# Altium PCB 3-as-manufactured.PcbDoc (part 11 of 16)
Units mil, origin at the board's own origin, x right, y up, seen from the top; angles counter-clockwise.
Board outline 4130.55 x 4250 mil, 8 copper layers (L1_TOP, L2_GND, L3_INT, L4_PWR, L5_PWR, L6_INT, L7_GND, L8_BOT), stack 61 mil thick; 584 components, 489 nets, 2229 pads, 1894 vias.
Unrouted connection lines stored in the file: 4.
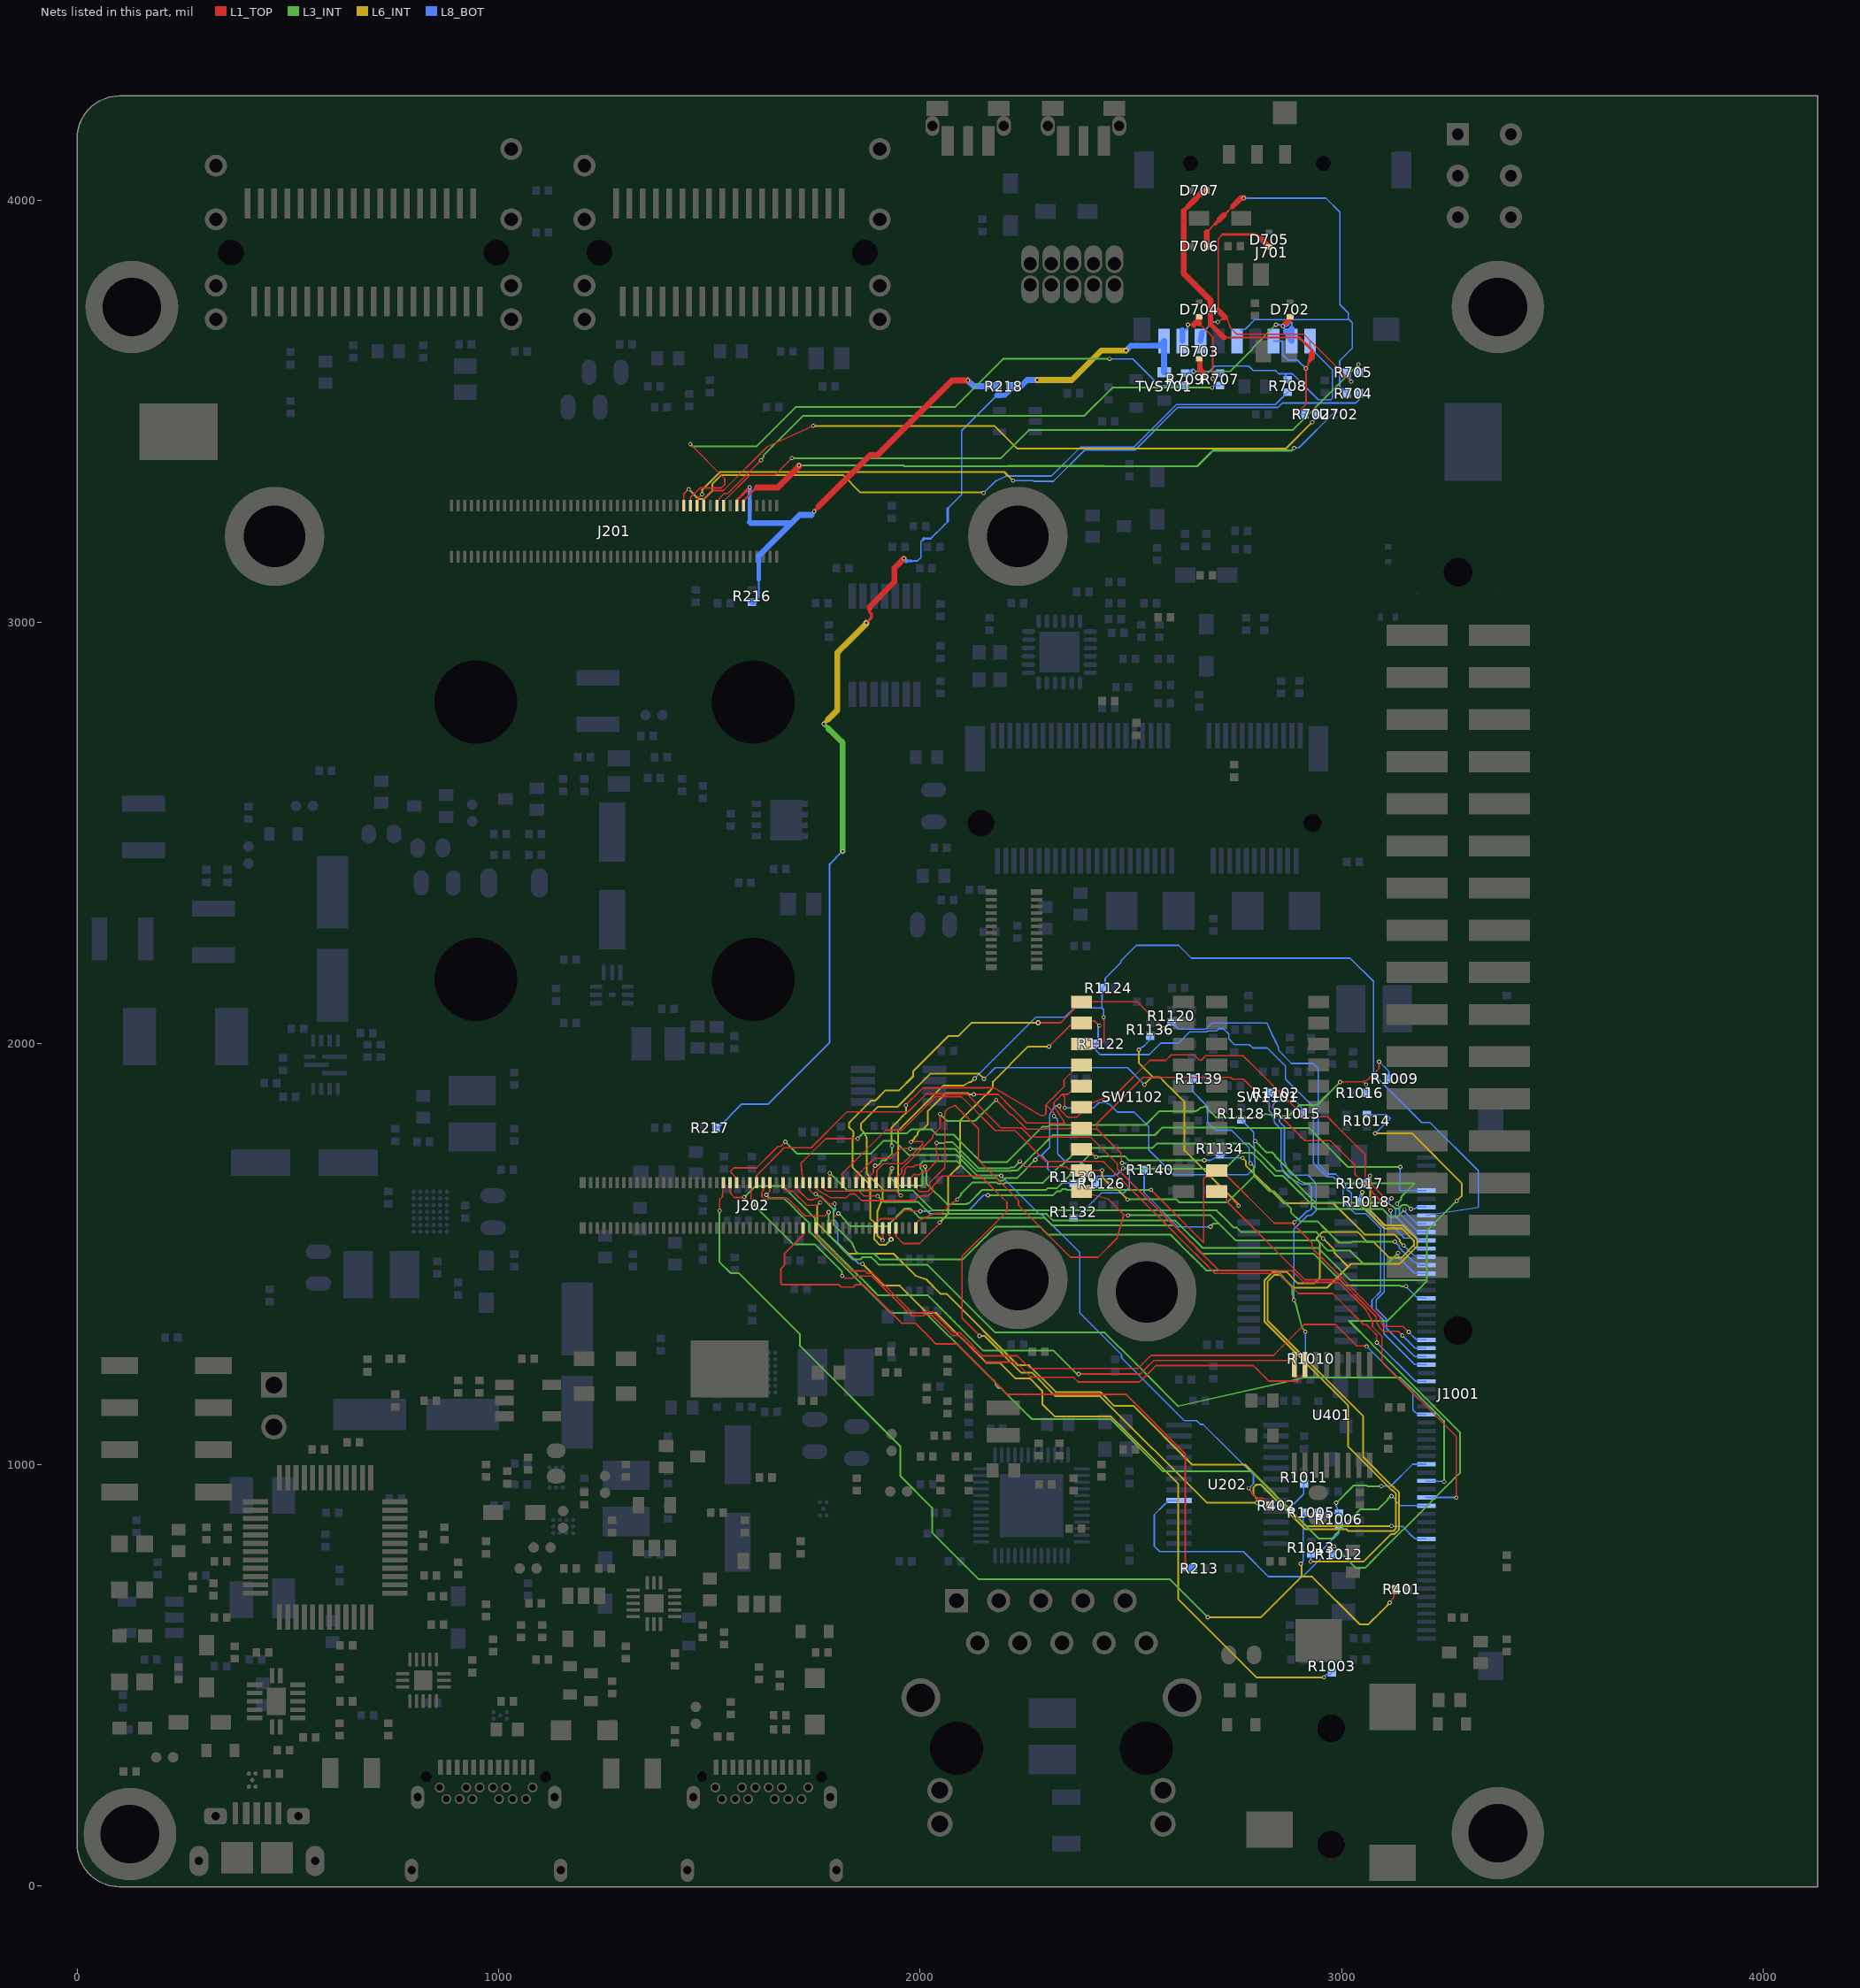
[diagram p17: the nets of this part, all layers, seen from the top]

## Via types
v1: diameter 10, hole 5.9, L1_TOP to L8_BOT, tented both sides, 1703 vias
v2: diameter 12, hole 5.9, L1_TOP to L8_BOT, tented both sides, 110 vias
v3: diameter 10, hole 6, L1_TOP to L8_BOT, tented both sides, 69 vias
v4: diameter 12, hole 6, L1_TOP to L8_BOT, tented both sides, 12 vias

## Nets (pads, with @x,y where several pads share a name; then routed paths per layer and width w, separated by ;. In a path a pad name is that pad's centre, name@x,y a point inside that pad or via, vN(x,y) a via of type N, cw(c..) or ccw(c..) an arc to the next point about the centre after c; other vN are vias at no path point) (continued)
SAI1_RXD4: J202.88 J1001.24 R1102.1 SW1101.9 | length 2136
  L1_TOP w3.5: J202.88@1894.98,1561.93 1894.98,1573.37 1905.94,1584.33 1942.34,1584.33 1962.85,1604.83 1974.76,1604.83 1977.32,1602.27 1999.73,1602.27 v1(2000,1602) ; v1(2547.63,1652.78) 2560.27,1640.15 2672.78,1527.64 2672.79,1603.77 2672.79,1679.91 2676.66,1683.78 2691.12,1683.78 SW1101.9@2703.63,1698.79 2716.39,1697.25 2840.05,1573.59 2884,1573.59 2884.26,1573.33 2888.57,1566.66 2897.19,1559.2 2929.76,1526.62 2929.76,1514.32 3069.75,1374.33 3069.75,1373.44 3091.28,1351.91 3091.28,1343.39 3091.28,1342.46 3091.75,1341.65 3095.31,1335.43 3099.34,1328.41 3145.7,1328.41 3158.73,1315.38 v1(3159.06,1315.38) ; v1@2885.59,1573.59 v1(2888,1576)
  L3_INT w4.2: v1(2161,1640) 2315.57,1640 2325.3,1649.73 2333.06,1649.73 2337.84,1654.5 2346.33,1654.5 2348.06,1652.78 v1(2547.63,1652.78)
  L8_BOT w3.5: v1(2000,1602) 2025.06,1602 2027.91,1604.85 2115.83,1604.85 2150.98,1640 v1(2161,1640) ; R1102.1@2829.81,1883.07 2827.69,1878.38 2827.69,1840.66 2833.46,1834.89 2836.93,1825.11 2840.4,1815.33 2840.4,1812.72 2856.54,1796.59 2856.54,1709.01 2860.12,1700.87 2863.7,1692.73 2874.01,1682.41 2884.87,1676.83 2895.73,1671.25 2906.58,1665.67 2924.16,1665.67 2928.29,1661.54 2928.29,1607.41 2921.98,1602.37 2918.01,1602.37 2909.01,1593.38 2898.3,1582.67 2894.84,1582.67 2888.17,1576 v1(2888,1576) ; v1(3159.06,1315.38) 3176.59,1297.86 3188.66,1297.29 J1001.24@3200.73,1296.73
SAI1_RXD5: J202.90 J1001.25 R1136.1 SW1101.10 | length 2373.8
  L1_TOP w3.5: J202.90@1910.73,1561.93 1908.47,1550.19 1910.86,1550.19 1910.86,1533.14 v1(1911,1533) ; v1(2755.54,1615.18) 2729.79,1640.93 SW1101.10@2717.93,1644.49 ; v1(3144.18,1307.23) 3134.66,1316.74 3098.84,1316.74 3091,1324.58 3086.58,1332.22 3082.64,1339.03 3082.17,1339.84 3082.17,1340.78 3082.17,1351.83 3063.25,1370.75 3063.25,1371.64 2995.58,1439.31 2913.12,1439.31 2726.88,1625.54 2726.88,1635.54 SW1101.10@2717.93,1644.49 ; SW1101.10@2717.93,1644.49 SW1101.10@2703.63,1648.79 2713.65,1648.77 SW1101.10@2717.93,1644.49
  L6_INT w4.2: v1(1911,1533) 1910.31,1533 1903.26,1540.05 1901.95,1540.05 1898.4,1543.6 1898.4,1599.36 1898.66,1600.81 1902.42,1611.05 1906.44,1622 1911.04,1626.6 1911.04,1653.59 1873.59,1691.04 1873.59,1775.19 1873.08,1776.13 1870.53,1780.79 1865.45,1790.1 1865.22,1790.41 1864.83,1790.86 1859.15,1796.54 1859.15,1809.52 1899.21,1849.59 1945.47,1849.59 2023.98,1928.1 2139.31,1928.1 v1(2151.39,1916.03) ; v1(2519,1985) 2519,1953.39 2552.05,1920.34 ; v1(2531.99,1902.35) 2549.98,1920.33 2552.05,1920.33 ; v1(2755.54,1615.18) v1@2755.54,1617.73 ; v1@2755.51,1617.77 2627.13,1746.15 2627.13,1861.81 2617.37,1871.56 2607.62,1881.32 2578.36,1910.58 2568.61,1920.33 2552.05,1920.33
  L8_BOT w3.5: v1(2151.39,1916.03) 2177.96,1942.58 2287.79,1942.58 2319.17,1942.58 2491.76,1942.58 v1(2531.99,1902.35) ; v1(2519,1985) 2526.06,1992.06 2528.91,1992.06 2537.77,2000.92 2545.98,2009.13 R1136.1@2545.98,2017.74 ; v1@3144.18,1307.23 3174.36,1277.05 J1001.25@3200.73,1277.06
SAI1_RXD6: J202.92 J1001.26 R1120.1 SW1102.1 | length 2581.1
  L1_TOP w3.5: J202.92@1926.46,1561.94 1926.46,1545.26 1929.39,1542.33 1929.39,1536.75 v2(1931.02,1535.12) ; v2(2279.94,2049.32) 2333.16,2049.32 SW1102.1@2382.63,2098.79 2515.32,2098.78 2536.41,2077.69 2546.96,2067.15 2557.5,2056.6 2568.04,2046.06 v1(2578.02,2036.09)
  L6_INT w4.2: v2(1931.02,1535.12) 1917.8,1521.9 1904.51,1521.9 1891.2,1535.21 1891.2,1574.94 1881.1,1585.04 1881.1,1664.85 1839.08,1706.88 1839.08,1777.56 1841.72,1780.2 1841.72,1790.64 1831.1,1801.26 1831.1,1811.7 1840.89,1821.5 1840.89,1821.91 1882.97,1863.99 1892.99,1863.99 1918,1889 1950.17,1889 1983.36,1922.19 1983.36,1933.94 2067.27,2017.85 2090.66,2017.85 2122.14,2049.32 v2(2279.94,2049.32)
  L8_BOT w3.5: v1(2578.02,2036.09) 2579.23,2037.3 2581.11,2037.3 2594.74,2050.93 2596.74,2050.93 2613.49,2034.17 2677.45,2034.17 2692.1,2048.82 2822.87,2048.82 2828.24,2037.12 2833.61,2025.42 2838.99,2013.72 2844.36,2002.02 2849.73,1990.32 2849.73,1984.1 2881.15,1952.68 2931.59,1952.68 2944.33,1939.94 2944.33,1713.68 2967.99,1690.03 2986.09,1690.03 3009.74,1666.38 3009.74,1657.7 3012.12,1655.32 3012.12,1654.04 3016.66,1649.5 3017.95,1649.5 3023.21,1644.23 3023.21,1614.53 3031.11,1606.63 3060.81,1606.63 3079.01,1588.43 3079.01,1584.1 3089.07,1574.04 3093.41,1574.04 3100.75,1566.69 3100.75,1410.37 3082,1391.62 3082,1370.38 3106.25,1346.13 3106.25,1324.59 3173.48,1257.36 J1001.26@3200.73,1257.37
SAI1_RXD7: J202.94 J1001.27 R1122.1 SW1102.2 | length 2344.1
  L1_TOP w3.5: J202.94@1942.22,1561.93 1942.22,1542.57 1959.55,1525.25 1998.69,1525.25 2038.89,1565.45 2038.89,1565.91 2046.26,1573.29 v1(2046.26,1575.04) ; v1(2305.74,1992.76) 2361.76,2048.78 SW1102.2@2382.63,2048.79 2407.64,2053.78 2413.46,2053.78 v1(2425.01,2042.24)
  L6_INT w4.2: v1(2046.26,1575.04) 2046.26,1575.47 2066.09,1595.3 2066.09,1682.1 2075.45,1691.45 2094.15,1710.16 2094.15,1816.61 2103.98,1826.43 2113.8,1836.26 2133.44,1855.9 2143.27,1865.72 2162.91,1885.37 2172.73,1895.19 2172.73,1909.43 2256.07,1992.76 v1(2305.74,1992.76)
  L8_BOT w3.5: v1(2425.01,2042.24) 2425.01,2040.52 2422.34,2037.85 2422.34,2006.54 R1122.1@2415.09,1999.28 2416.39,1998 2416.39,1984.03 2426.6,1973.81 2543.64,1973.81 2570.83,2001 2612.66,2001 2639.34,2027.67 2680.14,2027.67 2682.35,2029.88 2703.63,2029.88 2709.29,2035.54 2719.02,2035.54 2732.35,2022.21 2732.35,2010.91 2745.67,1997.59 2780.87,1997.59 2788.9,1989.56 2823.78,1989.56 2867.07,1946.26 2867.07,1915.41 2932.78,1849.7 2932.78,1716.05 2965.29,1683.53 2979.94,1683.53 3003.24,1660.22 3003.24,1625.31 3032.29,1596.26 3057.18,1596.26 3092.44,1561 3092.44,1411.25 3072.02,1390.83 3072.02,1371.17 3099.75,1343.44 3099.75,1311.75 3173.48,1238.02 3200.39,1238.02 J1001.27@3200.73,1237.69
SAI1_RXFS: J202.74 J1001.19 | length 1558.2
  L1_TOP w3.5: J202.74@1784.74,1561.93 1786.98,1564.17 1786.98,1577.98 v1(1806,1597)
  L3_INT w4.2: v1(1806,1597) 1824.24,1578.76 1824.24,1576.38 1834.56,1566.06 1920.46,1566.06 1962.3,1607.9 1977.01,1607.9 1987.89,1597.02 1998.76,1586.14 2092.34,1586.14 2170.31,1586.14 2295.08,1586.14 2303.85,1577.38 2312.61,1568.61 2434.61,1568.61 2602.35,1568.61 2640.92,1530.05 2669.84,1501.13 2778.44,1501.13 2933.59,1501.13 3008.62,1426.1 3139.18,1426.1 3141.28,1424 v1(3153,1424)
  L8_BOT w3.5: v1(3153,1424) 3153,1422.95 3162.3,1413.65 3179.01,1396.95 3189.87,1396.05 J1001.19@3200.73,1395.17
SAI1_TXC: J202.81 J1001.6 | length 1554
  L1_TOP w3.5: J202.81@1847.72,1669.65 1850.08,1676.04 1850.08,1686.32 1860.36,1696.59 1870.63,1706.87 1880.91,1717.14 1891.18,1727.42 1930.14,1727.42 1952.96,1750.23 v1(1976.55,1750.23)
  L3_INT w4.2: v1(1976.55,1750.23) 2082,1750.23 2094.39,1737.83 2135.12,1697.1 2215.65,1697.1 2217.09,1698.54 2230.25,1698.54 2273.76,1742.05 2274.39,1742.05 2314.86,1782.53 2480.99,1782.53 2556.5,1782.53 2574.08,1800.1 2748.06,1800.1 2748.26,1799.9 2922.24,1799.9 2952.1,1770.04 2962.12,1760.02 3015.14,1707 v1(3139,1707)
  L8_BOT w3.5: v1(3139,1707) 3139,1679.83 3137.7,1678.53 3137.7,1653.11 3139.75,1651.06 J1001.6@3200.73,1651.07
SAI1_TXD0: J202.83 J1001.9 R1124.1 SW1102.3 | length 2563
  L1_TOP w3.5: J202.83@1863.48,1669.65 1863.48,1657.49 1871.47,1649.5 1943.54,1649.5 v1(1953.72,1639.32) ; SW1102.3@2382.63,1998.79 2429.94,1999.75 2436.18,2005.99 2436.18,2054.79 2435.44,2055.54 v1(2435.44,2062.37)
  L6_INT w4.2: v1(1953.72,1639.32) 1947.24,1645.81 1947.24,1792.93 2054.82,1900.51 2103.29,1900.51 2115.71,1907.92 2116.7,1908.51 2120.51,1908.51 v1(2129,1917)
  L8_BOT w3.5: v1(2129,1917) 2274.09,2062.09 2343.03,2062.09 2365.55,2084.61 2431.17,2084.61 ; v1(2435.44,2062.37) 2435.44,2080.35 2431.17,2084.61 ; J1001.9@3200.73,1592.02 3324.23,1611.04 3324.23,1697.89 3209.7,1812.42 3189.94,1812.42 3075.41,1926.95 3075.41,2147.45 3020.22,2202.64 2643.59,2202.64 2613.1,2233.13 2512.95,2233.13 2475.94,2196.12 2475.94,2192.09 2438.93,2155.07 2438.93,2139.35 2431.67,2132.09 2431.67,2104.48 2431.17,2103.98 2431.17,2084.61
SAI1_TXD1: J202.85 J1001.10 R1126.1 SW1102.4 | length 1919.9
  L1_TOP w3.5: J202.85@1879.23,1669.65 1880.47,1685.28 1888.77,1693.57 1888.77,1704.21 1893.03,1708.47 v1(1893.03,1710.23) ; v1(1966,1853) 1966,1854.24 1976.68,1864.92 1986.69,1874.94 2006.72,1894.96 2174.24,1894.96 2186.64,1887.69 2199.05,1880.42 2211.45,1873.15 2223.86,1865.87 2236.26,1858.6 2248.67,1851.33 2261.07,1844.06 2273.48,1836.79 2285.88,1829.52 ; 2285.89,1829.51 2294.82,1829.51 2298.31,1833 2298.31,1854.51 ; v1(2317.69,1827.73) 2317.69,1835.14 2298.31,1854.52 2307.89,1864.09 2317.46,1873.67 2327.04,1883.24 2336.61,1892.82 2341.4,1897.61 2341.4,1913.74 2376.44,1948.78 SW1102.4@2382.63,1948.79
  L3_INT w4.2: v1(1893.03,1710.23) 1894.14,1711.34 1900.81,1711.34 1906.58,1717.11 1906.58,1720.33 1909.04,1722.79 1917.22,1722.79 1933,1738.57 v1(1933,1757) ; v1(2481.64,1703.56) 2494.35,1703.56 2495.57,1702.34 2616.83,1702.34 2722.94,1702.34 2732.37,1711.77 2741.8,1721.2 2760.66,1740.07 2788.2,1740.07 2798.93,1729.34 2809.65,1718.62 2820.38,1707.89 2831.1,1697.17 2841.83,1686.44 2859.98,1686.44 2869.83,1676.59 2938.83,1607.59 3096.36,1607.59 3105.11,1598.84 3105.11,1598.79 3115.95,1587.95 3131.44,1587.95 3132.31,1588.82 3140.84,1597.35 v1(3149.37,1605.89)
  L6_INT w4.2: v1(1933,1757) 1932.2,1757.8 1932.2,1800.91 1949.44,1818.14 1958.05,1826.76 1966.67,1835.38 1966.67,1852.33 v1(1966,1853)
  L8_BOT w3.5: v1(2317.69,1827.73) 2325.81,1819.61 2325.81,1738.04 2344.8,1719.05 2381.47,1719.05 2415.32,1685.19 2412.56,1675.73 R1126.1@2415.09,1667.25 2417.62,1675.66 2420.15,1684.08 2421.86,1685.79 2458.82,1685.79 2462.64,1689.6 2467.68,1689.6 2474.04,1695.97 v1(2481.64,1703.56) ; v1(3149.37,1605.89) 3149.37,1601.62 3178.67,1572.32 J1001.10@3200.73,1572.33
SAI1_TXD2: J202.87 J1001.11 R1128.1 SW1102.5 | length 2121.9
  L1_TOP w3.5: J202.87@1895,1673.96 1895,1679.17 1897.22,1681.39 1897.22,1699.22 1912.75,1714.75 1958.16,1714.75 1964.16,1720.75 1965.12,1720.75 2005.6,1761.23 2005.6,1765.08 2003.55,1767.13 1979.05,1767.13 v1(1978.12,1766.21) ; v1(2126.9,1879.23) 2185.07,1879.23 2194.73,1869.57 2204.4,1859.91 2233.38,1830.92 2243.04,1821.26 2252.71,1811.6 2306.95,1811.6 2308.29,1811.2 2309.71,1809.78 2344.16,1809.78 2337.47,1820.26 2330.76,1830.72 2324.06,1841.18 2322,1844.4 2321.53,1844.98 2317.36,1849.15 2317.36,1859.8 2336.57,1879.01 ; v1(2342.75,1847.32) 2342.75,1872.84 2336.58,1879.01 ; SW1102.5@2382.63,1898.79 2367.67,1896.53 2350.16,1879.01 2336.58,1879.01
  L3_INT w4.2: v1(2794.65,1768.4) 2803.47,1759.58 2812.29,1750.77 2821.1,1741.95 2834.75,1741.95 2842.1,1734.6 2842.1,1732.75 2899.81,1675.04 2913.64,1667.95 2921.28,1667.94 2974.68,1667.94 3173.01,1667.94 3163.88,1658.8 3141.38,1636.3 3141.38,1629.78 v1(3131.3,1619.69)
  L6_INT w4.2: v1(1978.12,1766.21) 1986.5,1774.59 1986.5,1776.78 1993.9,1784.17 1993.9,1789.01 2000.99,1796.1 2005.83,1796.1 2018.12,1808.39 2018.12,1840.09 2028.65,1850.61 2039.18,1861.14 2049.71,1871.67 2060.23,1882.2 2113.5,1882.2 2116.44,1879.26 v1@2126.87,1879.26
  L8_BOT w3.5: v1(2342.75,1847.32) 2411.65,1847.32 2424.08,1859.75 2441.45,1859.75 2443.06,1858.15 2443.86,1857.35 2444.97,1857.17 2448.42,1856.6 2467.94,1837.08 2507.71,1837.08 2542.15,1802.64 2542.15,1747.7 2601.49,1688.35 2645.35,1688.35 2777.08,1688.35 2794.58,1705.85 2794.58,1720.34 2793.44,1721.47 2793.44,1754.63 2790.86,1764.37 2791.8,1768.98 v1@2792.12,1770.55 ; R1128.1@2761.62,1818.5 2791.03,1789.09 2791.03,1773.73 v1@2792.12,1770.55 ; v1(2794.65,1768.4) 2792.51,1770.55 v1@2792.12,1770.55 ; v1(3131.3,1619.69) 3131.3,1617.97 3137.19,1612.08 3137.19,1596.58 3159.16,1574.61 3170.15,1563.62 3181.13,1552.64 J1001.11@3200.73,1552.64
SAI1_TXD3: J202.91 J1001.12 R1130.1 SW1102.6 | length 1982.2
  L1_TOP w3.5: J202.91@1926.46,1669.65 1927.16,1670.35 1927.16,1696.4 1933,1702.24 v1(1933,1704) ; v1(2329.64,1852.07) 2332,1849.71 2332,1842.84 2349.61,1825.23 2371.63,1825.23 2382.63,1836.24 SW1102.6@2382.63,1848.79 2467.74,1882.82 2545.03,1960.11 2582.67,1960.11 2595.75,1973.18 2649.93,1973.18 2662.49,1960.62 2667.22,1960.62 2677.74,1971.14 2766.28,1971.14 2776.65,1960.76 2787.02,1950.39 2797.4,1940.02 2807.77,1929.64 2818.14,1919.27 2849.26,1888.15 2911.5,1825.91 2966.74,1825.91 3011.33,1781.32 3055.9,1736.75 3055.9,1680.63 3104.28,1632.25 v1(3118.45,1632.25)
  L3_INT w4.2: v1(1933,1704) 1932.32,1703.32 1932.32,1693.54 1926.81,1688.03 1926.81,1683.83 1937.09,1673.55 1947.36,1663.28 2004.87,1663.28 2004.88,1698.93 2000.49,1703.32 2000.49,1714.25 2007.29,1721.05 2086.57,1721.05 2127.38,1680.24 2182,1680.23 2187.46,1674.77 2196.6,1674.77 2202.06,1680.23 2229.23,1680.23 v1(2273,1724)
  L8_BOT w3.5: v1(2273,1724) 2273,1725.12 2279.19,1731.31 2279.19,1732.38 2281.57,1734.75 2288.16,1734.75 ; v1(2329.64,1852.07) 2322.23,1852.07 2313.3,1843.14 2306.94,1830.24 2306.94,1814.9 2306.94,1753.53 2288.16,1734.75 ; R1130.1@2363.5,1669.09 2335.74,1669.07 2302.38,1702.44 2302.38,1720.54 2288.16,1734.75 ; v1(3118.45,1632.25) 3112.53,1626.33 3112.53,1619.33 3120.09,1614.58 3120.7,1614.09 3128.08,1606.72 3128.08,1589.91 3137.57,1580.42 3147.07,1570.93 3156.56,1561.44 3185.04,1532.96 J1001.12@3200.73,1532.96
SAI1_TXD4: J202.93 J1001.13 R1132.1 SW1102.7 | length 2020.6
  L1_TOP w3.5: J202.93@1942.22,1669.65 1942.22,1679.15 1956.05,1692.98 1956.05,1703.44 1966.85,1714.25 1967.81,1714.25 2030.07,1776.51 2030.07,1782.62 2047.31,1799.86 v1(2047.31,1832.3) ; v1(2180,1866) 2215.35,1830.65 2218.46,1830.65 2252.57,1796.54 2253.04,1796.53 2267.04,1796.78 2281.49,1797.03 2295.94,1797.28 2310.39,1797.53 2324.84,1797.78 2339.29,1798.03 2353.74,1798.28 2368.19,1798.53 SW1102.7@2382.63,1798.79 2384.54,1796.88 2419.58,1796.88 ; v1(2478.63,1716.21) 2477.47,1728.11 2476.28,1740.18 2466.83,1749.63 2457.38,1759.08 2447.93,1768.53 2438.48,1777.98 2429.03,1787.43 2419.58,1796.88 ; v1(3116.21,1603.38) 3073.73,1645.86 3073.73,1647.75 3062.88,1658.6 3052.02,1669.46 3041.75,1679.73 3031.49,1689.99 3031.49,1711.51 3012.12,1730.88 3002.44,1740.56 2992.75,1750.24 2973.39,1769.61 2912.8,1769.61 2902.39,1780.02 2891.97,1790.44 2881.55,1800.86 2871.13,1811.27 2860.72,1821.69 2850.3,1832.11 2839.88,1842.53 2829.47,1852.94 2819.05,1863.36 2808.63,1873.78 2798.22,1884.19 2787.8,1894.61 2777.38,1905.03 2766.97,1915.44 2740.81,1915.44 2736.65,1919.6 2662.48,1919.6 2528.99,1919.6 2419.58,1810.2 2419.58,1796.88
  L3_INT w4.2: v1(2047.31,1832.3) 2063.41,1816.2 2130.2,1816.2 v1(2180,1866)
  L8_BOT w3.5: R1132.1@2363.5,1586.08 2374.09,1589.26 2383.51,1598.68 2430.62,1645.79 2483.51,1645.79 2489.77,1652.05 2496.02,1658.3 2496.02,1707.72 2487.9,1715.84 2479,1715.84 v1(2478.63,1716.21) ; v1(3116.21,1603.38) 3117.15,1602.44 3117.15,1569.82 3127.89,1559.09 3138.62,1548.36 3148.23,1538.75 3165.85,1538.75 3167.91,1536.7 3172.62,1526.34 3172.62,1517.32 3176.67,1513.27 J1001.13@3200.73,1513.28
SAI1_TXD5: J202.95 J1001.14 R1134.1 SW1102.8 | length 1550.7
  L1_TOP w3.5: J202.95@1957.97,1669.65 1959.95,1671.63 1959.95,1687.69 1963.25,1690.99 1963.25,1701.45 1969.55,1707.75 1984.61,1707.75 1988.46,1711.6 1999.59,1711.6 2002.04,1709.15 2010.35,1709.15 v1(2011.59,1707.91) ; SW1102.8@2382.63,1748.79 2399.34,1748.78 2409.44,1738.67 v1(2417.37,1730.74)
  L3_INT w4.2: v1(2011.59,1707.91) 2012.34,1707.16 2012.34,1696.2 2014.45,1694.09 2014.45,1667.95 2063.5,1618.9 2110.01,1618.9 2111.7,1620.59 2114.92,1620.59 2127.28,1632.96 2136.63,1642.3 2147.13,1652.8 2298.74,1652.8 2302.87,1656.93 2324.93,1656.93 2355.42,1687.42 2355.42,1690.03 2365.57,1700.18 2375.37,1709.98 2403.57,1738.18 2406.47,1738.18 v1@2413.24,1733.4 ; v1(2417.37,1730.74) 2415.89,1730.74 v1@2413.24,1733.39 ; v1(2674.32,1722.65) 2569.82,1722.65 2495.18,1722.65 2485.43,1732.41 2430.7,1732.41 2429.03,1730.74 2419.65,1730.74 2417.67,1732.72 v1@2413.24,1733.39
  L6_INT w4.2: v1(2765.15,1728.39) 2772.71,1720.83 2772.71,1711.05 2863.29,1620.47 2980.68,1620.47 3054.55,1546.59 3124.88,1546.59 3138.5,1532.97 3138.5,1529.33 v1(3147.12,1520.71)
  L8_BOT w3.5: v1(2674.32,1722.65) 2687.87,1722.65 R1134.1@2711.86,1735.49 2722.43,1729.83 2723.87,1728.39 v1(2765.15,1728.39) ; v1(3147.12,1520.71) 3153.25,1514.57 3171.64,1496.18 3178.74,1496.18 3189.73,1494.88 J1001.14@3200.73,1493.59
SAI1_TXD6: J202.97 J1001.15 R1139.1 SW1102.9 | length 1817.4
  L1_TOP w3.5: J202.97@1973.72,1669.65 1975.96,1681.39 1979.17,1683.57 1984.66,1689.06 1986.39,1689.06 1986.96,1689.01 1990.04,1688.5 1994.11,1688.46 1997.69,1688.17 2004.83,1695.31 2014.19,1695.31 2042.86,1723.98 2042.86,1736.05 2038.7,1740.21 v1(2038.7,1764.16) ; v1(2236.32,1720.31) v1(2236.32,1720.31) 2248.8,1707.77 2262.73,1707.77 2346.35,1707.77 2351.86,1702.25 SW1102.9@2382.63,1698.79 2382.97,1699.1 v1(2431.47,1699.1)
  L3_INT w4.2: v1(2038.7,1764.16) 2058.08,1764.16 2059.26,1765.34 2077.07,1765.34 2101.59,1740.81 2138.11,1704.3 2212.66,1704.3 2214.11,1705.74 2221.85,1705.74 2236.32,1720.22 v1(2236.32,1720.31) ; v1(2492,1630) 2608.3,1630 2614.8,1623.5 2729.53,1623.5 2791.93,1685.9 ; v1(2783.81,1715.65) 2791.93,1707.52 2791.93,1685.9 ; v1(3126.39,1529.38) 3024.33,1529.38 3022.35,1527.41 2993.28,1527.41 2972.98,1547.71 2962.83,1557.86 2942.53,1578.16 2901.54,1578.16 2892.6,1587.1 2891.55,1587.1 2880.33,1598.33 2880.33,1608.23 2839.37,1649.19 2828.64,1649.19 2791.93,1685.9
  L6_INT w4.2: v1(2431.47,1699.1) 2431.47,1683.92 2457.88,1657.52 2464.48,1657.52 v1(2492,1630)
  L8_BOT w3.5: R1139.1@2647.33,1916.27 2646.42,1913.5 2646.42,1886.37 2655.39,1877.4 2664.37,1868.42 2682.31,1850.48 2682.31,1812.84 2701.03,1794.12 2738.93,1794.12 2749.45,1783.6 2759.96,1773.09 2770.48,1762.57 2781,1752.05 2781,1718.46 v1(2783.81,1715.65) ; v1(3126.39,1529.38) 3136.37,1519.4 3136.37,1515.62 3171.15,1480.84 3176.8,1480.84 3183.74,1473.9 J1001.15@3200.73,1473.91
SAI1_TXD7: J202.99 J1001.16 R1140.1 SW1102.10 | length 2131.3
  L1_TOP w3.5: J202.99@1989.47,1669.65 1991.71,1667.4 1991.71,1654.63 1997.95,1648.39 2018.37,1648.39 2022.96,1652.98 2022.96,1670.38 2058.06,1705.48 2058.06,1837.8 2064.91,1844.65 2073.67,1849.12 2082.43,1853.59 2138.35,1797.68 2138.35,1722.9 2233.34,1627.91 2233.34,1616.2 2356.9,1492.64 2421.99,1492.64 2467.07,1537.73 2483.03,1593.67 2483.3,1593.4 ; SW1102.10@2382.63,1648.79 2445.3,1630.79 2446.17,1630.54 2483.3,1593.4 ; v1(2492.87,1592.16) 2491.63,1593.4 2483.3,1593.4
  L3_INT w4.2: v1(2492.87,1592.16) 2613.7,1592.16 2689.21,1592.16 2708.65,1572.73 ; v1(2688.59,1565.06) 2696.26,1572.73 2708.65,1572.73 ; 3105.13,1477.06 3051.2,1477.06 3020.2,1508.07 2967.78,1508.07 2943.01,1532.84 2748.54,1532.84 2739.1,1542.28 2728.95,1552.43 2718.8,1562.58 2708.65,1572.73 ; 3105.13,1477.07 3108.28,1477.07 v1(3134,1502.79)
  L8_BOT w3.5: R1140.1@2531.2,1700.43 2531.2,1646.05 2612.2,1565.06 v1(2688.59,1565.06) ; v1(3134,1502.79) 3134.45,1502.34 3134.45,1493.24 3173.48,1454.21 J1001.16@3200.73,1454.22
SAI1_TXFS: J202.100 J1001.8 | length 1374.5
  L1_TOP w3.5: J202.100@1989.47,1561.93 1989.47,1572.73 1996.34,1579.6 2007.32,1584.82 2018.29,1590.04 2029.26,1595.26 2036.59,1595.26 2038.11,1596.78 2050.4,1596.78 2077.32,1623.71 2080.79,1623.71 2087.08,1630 v1(2088,1630)
  L3_INT w4.2: v1(2088,1630) 2088,1631.11 2097.18,1640.3 2097.18,1643.57 2124.22,1670.61 2181.45,1670.61 2184.48,1667.57 2199.58,1667.57 2201.3,1669.29 2291.59,1669.29 2333.9,1711.59 2337.17,1711.59 2347.42,1721.84 2357.66,1732.09 2378.16,1752.58 2551.56,1752.58 2561.45,1762.47 2671.15,1762.47 2780.85,1762.47 2791.75,1751.57 2802.65,1740.67 2824.44,1718.88 2835.34,1707.98 2846.24,1697.09 2863.43,1697.09 2863.83,1696.91 2906.46,1654.29 2917.11,1643.64 2927.77,1632.98 2938.42,1622.32 3045.57,1622.32 3106.79,1622.32 3119.15,1615.04 3120.01,1614.48 3120.81,1614.48 3126.7,1608.59 3136.14,1608.59 3144.53,1616.99 3154.78,1616.99 v1(3164.26,1607.51)
  L8_BOT w3.5: v1(3164.26,1607.51) 3174.18,1607.51 3178.36,1611.69 J1001.8@3200.73,1611.7
SAI2_3_MCLK: J1001.39 R1005.1 R1006.1 | length 331.5
  L3_INT w4.2: v1(2987.08,909.99) 3027.95,950.85 3059.61,950.85 3061.11,949.35 v1(3094.35,949.35)